# Altium PCB F407.PcbDoc (part 2 of 3)
Units mil, origin at the board's own origin, x right, y up, seen from the top; angles counter-clockwise.
Board outline 3789 x 2423 mil, 2 copper layers (Top Layer, Bottom Layer); 112 components, 163 nets, 540 pads, 276 vias.
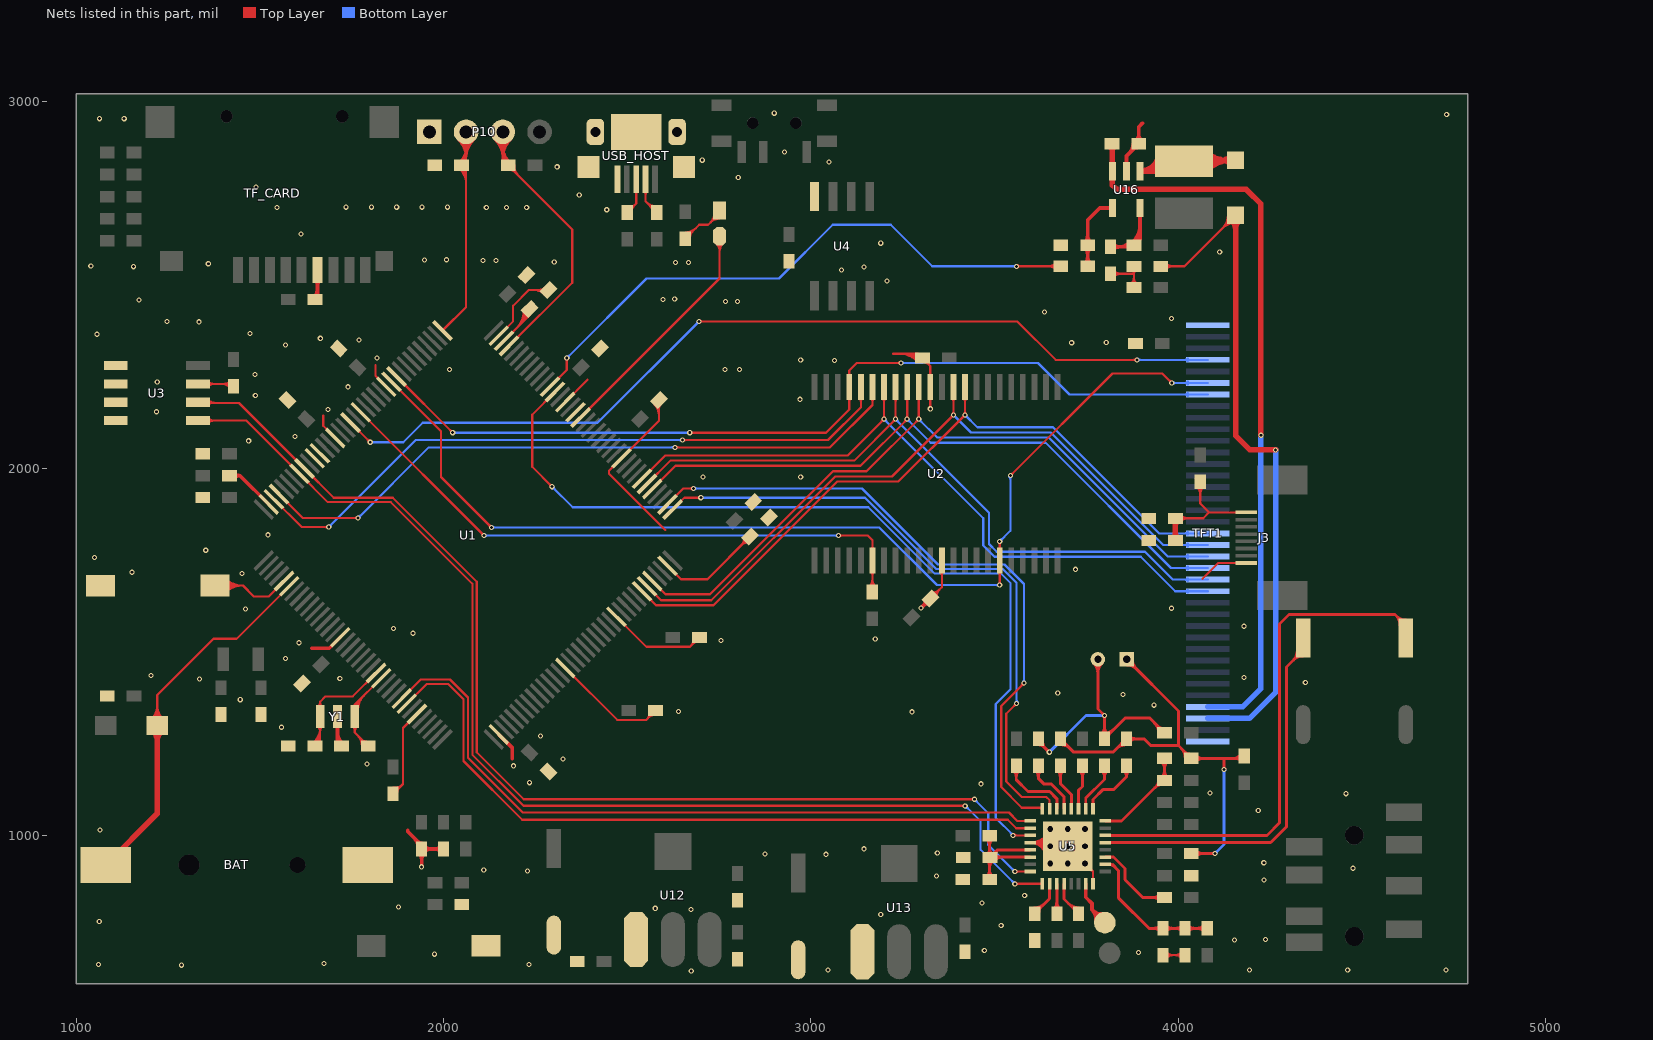
[diagram p2: the nets of this part, all layers, seen from the top]

## Via types
v1: diameter 14, hole 8, Top Layer to Bottom Layer, 267 vias
v2: diameter 27.56, hole 15.75, Top Layer to Bottom Layer, 9 vias

## Nets (pads, with @x,y where several pads share a name; then routed paths per layer and width w, separated by ;. In a path a pad name is that pad's centre, name@x,y a point inside that pad or via, vN(x,y) a via of type N, cw(c..) or ccw(c..) an arc to the next point about the centre after c; other vN are vias at no path point) (continued)
FSMC_D10: TFT1.19 U1.66 U2.31 | length 2063.3
  Top Layer w6: U1.66@2539.77,1665.25 2578.02,1627 2734.6,1627 3071.6,1964 3238.01,1964 v1(3419.43,2145.42) U2.31@3419.43,2221.09 ; v1@3415.43,2145.42 cw(c3405.77,2145.42) 3412.6,2138.59 cw(c3419.43,2131.76) v1@3419.43,2141.42 ; U2.31@3415.98,2190.08 cw(c3407.66,2181.76) 3419.43,2181.76 cw(c3431.19,2181.76) U2.31@3422.87,2190.08 ; v1@3416.6,2148.25 ccw(c3409.77,2155.07) 3419.43,2155.07 ccw(c3429.08,2155.07) v1@3422.25,2148.25
  Bottom Layer w6: v1@3419.43,2141.42 cw(c3419.43,2131.76) 3426.25,2138.59 cw(c3433.08,2145.42) v1@3423.43,2145.42 ; v1(3419.43,2145.42) 3453.06,2111.78 3659.03,2111.78 3947.89,1822.92 TFT1.19@4080.79,1822.92 ; TFT1.19@4026.16,1819.47 ccw(c4017.84,1811.15) 4017.84,1822.92 ccw(c4017.84,1834.69) TFT1.19@4026.16,1826.37
FSMC_D11: TFT1.20 U1.67 U2.32 | length 2057.9
  Top Layer w6: U1.67@2553.69,1679.17 2591.86,1641 2728.8,1641 3065.8,1978 3220.51,1978 v1(3387.93,2145.42) U2.32@3387.93,2221.09 ; v1@3383.93,2145.42 cw(c3374.27,2145.42) 3381.1,2138.59 cw(c3387.93,2131.76) v1@3387.93,2141.42 ; U2.32@3384.48,2190.08 cw(c3376.16,2181.76) 3387.93,2181.76 cw(c3399.7,2181.76) U2.32@3391.38,2190.08 ; v1@3385.1,2148.25 ccw(c3378.27,2155.07) 3387.93,2155.07 ccw(c3397.59,2155.07) v1@3390.76,2148.25
  Bottom Layer w6: v1@3387.93,2142.71 3387.93,2141.42 cw(c3387.93,2131.76) 3394.76,2138.59 cw(c3401.59,2145.42) v1@3391.93,2145.42 ; v1(3387.93,2145.42) 3435.57,2097.78 3653.23,2097.78 3959.59,1791.43 TFT1.20@4080.79,1791.43 ; TFT1.20@4026.16,1787.98 ccw(c4017.84,1779.66) 4017.84,1791.43 ccw(c4017.84,1803.19) TFT1.20@4026.16,1794.87
FSMC_D12: TFT1.21 U1.68 U2.35 | length 2050.2
  Top Layer w6: U1.68@2567.61,1693.09 2603.7,1657 2725,1657 3060,1992 3151.49,1992 v1(3293.44,2133.95) U2.35@3293.44,2221.09 ; v1@3289.44,2133.95 cw(c3279.79,2133.95) 3286.61,2127.12 cw(c3293.44,2120.3) v1@3293.44,2129.95 ; U2.35@3290,2190.08 cw(c3281.68,2181.76) 3293.44,2181.76 cw(c3305.21,2181.76) U2.35@3296.89,2190.08 ; v1@3290.61,2136.78 ccw(c3283.79,2143.61) 3293.44,2143.61 ccw(c3303.1,2143.61) v1@3296.27,2136.78
  Bottom Layer w6: v1@3293.44,2129.95 cw(c3293.44,2120.3) 3300.27,2127.12 cw(c3307.1,2133.95) v1@3297.44,2133.95 ; v1(3293.44,2133.95) 3343.61,2083.78 3647.43,2083.78 3971.28,1759.93 TFT1.21@4080.79,1759.93 ; TFT1.21@4026.16,1756.48 ccw(c4017.84,1748.16) 4017.84,1759.93 ccw(c4017.84,1771.7) TFT1.21@4026.16,1763.38
FSMC_D13: TFT1.22 U1.77 U2.36 | length 1929.6
  Top Layer w6: U1.77@2567.61,1943.64 2630.97,2007 3134.99,2007 v1(3261.95,2133.95) U2.36@3261.95,2221.09 ; v1@3257.95,2133.95 cw(c3248.29,2133.95) 3255.12,2127.12 cw(c3261.95,2120.3) v1@3261.95,2129.95 ; U2.36@3258.5,2190.08 cw(c3250.18,2181.76) 3261.95,2181.76 cw(c3273.71,2181.76) U2.36@3265.39,2190.08 ; v1@3259.12,2136.78 ccw(c3252.29,2143.61) 3261.95,2143.61 ccw(c3271.6,2143.61) v1@3264.77,2136.78
  Bottom Layer w6: v1@3261.95,2129.95 cw(c3261.95,2120.3) 3268.77,2127.12 cw(c3275.6,2133.95) v1@3265.95,2133.95 ; v1(3261.95,2133.95) 3326.12,2069.78 3638.94,2069.78 3980.29,1728.43 TFT1.22@4080.79,1728.43 ; TFT1.22@4026.16,1724.99 ccw(c4017.84,1716.67) 4017.84,1728.43 ccw(c4017.84,1740.2) TFT1.22@4026.16,1731.88
FSMC_D14: TFT1.23 U1.78 U2.37 | length 2000.9
  Top Layer w6: U1.78@2553.69,1957.56 2617.13,2021 3117.5,2021 v1(3230.45,2133.95) U2.37@3230.45,2221.09 ; v1@3226.45,2133.95 cw(c3216.79,2133.95) 3223.62,2127.12 cw(c3230.45,2120.3) v1@3230.45,2129.95 ; U2.37@3227,2190.08 cw(c3218.68,2181.76) 3230.45,2181.76 cw(c3242.22,2181.76) U2.37@3233.9,2190.08 ; v1@3227.62,2136.78 ccw(c3220.79,2143.61) 3230.45,2143.61 ccw(c3240.11,2143.61) v1@3233.28,2136.78
  Bottom Layer w6: v1@3230.45,2129.95 cw(c3230.45,2120.3) 3237.28,2127.12 cw(c3244.11,2133.95) v1@3234.45,2133.95 ; v1(3230.45,2133.95) 3485,1879.4 3485,1793.8 3505.8,1773 3909.46,1773 3985.52,1696.94 TFT1.23@4080.79,1696.94 ; TFT1.23@4026.16,1693.49 ccw(c4017.84,1685.17) 4017.84,1696.94 ccw(c4017.84,1708.7) TFT1.23@4026.16,1700.38
FSMC_D15: TFT1.24 U1.79 U2.38 | length 2015.3
  Top Layer w6: U1.79@2539.77,1971.48 2603.29,2035 3100,2035 v1(3198.95,2133.95) U2.38@3198.95,2221.09 ; v1@3194.95,2133.95 cw(c3185.3,2133.95) 3192.12,2127.12 cw(c3198.95,2120.3) v1@3198.95,2129.95 ; U2.38@3195.51,2190.08 cw(c3187.19,2181.76) 3198.95,2181.76 cw(c3210.72,2181.76) U2.38@3202.4,2190.08 ; v1@3196.12,2136.78 ccw(c3189.3,2143.61) 3198.95,2143.61 ccw(c3208.61,2143.61) v1@3201.78,2136.78
  Bottom Layer w6: v1@3198.95,2129.95 cw(c3198.95,2120.3) 3205.78,2127.12 cw(c3212.61,2133.95) v1@3202.95,2133.95 ; v1(3198.95,2133.95) 3469,1863.9 3469,1790 3500,1759 3898,1759 3991.56,1665.44 TFT1.24@4080.79,1665.44 ; TFT1.24@4026.16,1661.99 ccw(c4017.84,1653.67) 4017.84,1665.44 ccw(c4017.84,1677.21) TFT1.24@4026.16,1668.89
FSMC_NBL0: U1.141 U2.39 | length 1897.9
  Top Layer w6: U1.141@1551.49,1929.72 1616.21,1865 v1(1767,1865) ; v1@1764.17,1862.17 ccw(c1757.34,1855.34) 1757.34,1865 ccw(c1757.34,1874.66) v1@1764.17,1867.83 ; v1(2630,2057) 3052,2057 3167.46,2172.46 U2.39@3167.46,2221.09 ; v1@2632.83,2054.17 cw(c2639.66,2047.34) 2639.66,2057 cw(c2639.66,2066.66) v1@2632.83,2059.83 ; U2.39@3164.01,2190.08 cw(c3155.69,2181.76) 3167.46,2181.76 cw(c3179.22,2181.76) U2.39@3170.9,2190.08
  Bottom Layer w6: v1(1767,1865) 1959,2057 v1(2630,2057) ; v1@1767,1869 ccw(c1767,1878.66) 1773.83,1871.83 ccw(c1780.66,1865) v1@1771,1865 ; v1@2627.17,2054.17 ccw(c2620.34,2047.34) 2620.34,2057 ccw(c2620.34,2066.66) v1@2627.17,2059.83
FSMC_NBL1: U1.142 U2.40 | length 1898.8
  Top Layer w6: U1.142@1537.57,1915.8 1613.37,1840 v1(1687,1840) ; v1@1684.17,1837.17 ccw(c1677.34,1830.34) 1677.34,1840 ccw(c1677.34,1849.66) v1@1684.17,1842.83 ; v1(2650,2077) 3046.54,2077 3135.96,2166.42 U2.40@3135.96,2221.09 ; v1@2652.83,2074.17 cw(c2659.66,2067.34) 2659.66,2077 cw(c2659.66,2086.66) v1@2652.83,2079.83 ; U2.40@3132.51,2190.08 cw(c3124.19,2181.76) 3135.96,2181.76 cw(c3147.73,2181.76) U2.40@3139.41,2190.08
  Bottom Layer w6: v1(1687,1840) 1924,2077 v1(2650,2077) ; v1@1687,1844 ccw(c1687,1853.66) 1693.83,1846.83 ccw(c1700.66,1840) v1@1691,1840 ; v1@2647.17,2074.17 ccw(c2640.34,2067.34) 2640.34,2077 ccw(c2640.34,2086.66) v1@2647.17,2079.83
FSMC_NE3: R1.1 U1.125 U2.6 | length 1850
  Top Layer w6: U1.125@1774.2,2152.43 v1(2109.63,1817) ; v1@2105.63,1817 ccw(c2095.97,1817) 2102.8,1823.83 ccw(c2109.63,1830.66) v1@2109.63,1821 ; v1(3075,1817) 3155,1817 3167.46,1804.54 U2.6@3167.46,1748.65 R1.1@3167.46,1663.5 ; v1@3077.83,1814.17 cw(c3084.66,1807.34) 3084.66,1817 cw(c3084.66,1826.66) v1@3077.83,1819.83 ; R1.1@3158.44,1676.77 ccw(c3136.68,1698.53) 3167.46,1698.53 ccw(c3198.23,1698.53) R1.1@3176.47,1676.77 ; R1.1@3162.69,1672.52 ccw(c3151.17,1684.04) 3167.46,1684.04 ccw(c3183.75,1684.05) R1.1@3172.23,1672.52 ; U2.6@3164.01,1717.64 cw(c3155.69,1709.32) 3167.46,1709.32 cw(c3179.22,1709.32) U2.6@3170.9,1717.64 ; U2.6@3164.01,1779.65 ccw(c3155.69,1787.97) 3167.46,1787.97 ccw(c3179.22,1787.97) U2.6@3170.9,1779.65
  Bottom Layer w6: v1(2109.63,1817) v1(3075,1817) ; v1@2112.46,1814.17 cw(c2119.29,1807.34) 2119.29,1817 cw(c2119.29,1826.66) v1@2112.46,1819.83 ; v1@3072.17,1814.17 ccw(c3065.34,1807.34) 3065.34,1817 ccw(c3065.34,1826.66) v1@3072.17,1819.83
FSMC_NE4: TFT1.4 U1.127 | length 2645.7
  Top Layer w6: U1.127@1746.36,2124.59 v1(1799.95,2071) ; v1@1795.95,2071 ccw(c1786.3,2071) 1793.13,2077.83 ccw(c1799.95,2084.66) v1@1799.95,2075 ; v1(2695,2400) 3562,2400 3666.64,2295.36 v1(3887.64,2295.36) ; v1@2697.83,2397.17 cw(c2704.66,2390.34) 2704.66,2400 cw(c2704.66,2409.66) v1@2697.83,2402.83 ; v1@3884.81,2292.53 ccw(c3877.98,2285.71) 3877.98,2295.36 ccw(c3877.98,2305.02) v1@3884.81,2298.19
  Bottom Layer w6: v1(1799.95,2071) 1890,2071 1943,2124 2419,2124 v1(2695,2400) ; v1@1802.78,2068.17 cw(c1809.61,2061.34) 1809.61,2071 cw(c1809.61,2080.66) v1@1802.78,2073.83 ; v1@2691,2400 cw(c2681.34,2400) 2688.17,2393.17 cw(c2695,2386.34) v1@2695,2396 ; v1(3887.64,2295.36) TFT1.4@4080.79,2295.36 ; v1@3890.47,2292.53 cw(c3897.29,2285.71) 3897.29,2295.36 cw(c3897.29,2305.02) v1@3890.47,2298.19 ; TFT1.4@4026.16,2291.92 ccw(c4017.84,2283.6) 4017.84,2295.36 ccw(c4017.84,2307.13) TFT1.4@4026.16,2298.81
FSMC_NOE: TFT1.7 U1.118 U2.41 | length 2595.5
  Top Layer w6: U1.118@1871.64,2249.86 v1(2024.5,2097) ; v1@2020.5,2097 ccw(c2010.85,2097) 2017.67,2103.83 ccw(c2024.5,2110.66) v1@2024.5,2101 ; v1(2670,2097) 3041.09,2097 3104.46,2160.38 U2.41@3104.46,2221.09 3104.46,2266.46 3125,2287 v1(3245,2287) ; v1@2672.83,2094.17 cw(c2679.66,2087.34) 2679.66,2097 cw(c2679.66,2106.66) v1@2672.83,2099.83 ; U2.41@3101.02,2190.08 cw(c3092.7,2181.76) 3104.46,2181.76 cw(c3116.23,2181.76) U2.41@3107.91,2190.08 ; U2.41@3101.02,2252.09 ccw(c3092.7,2260.41) 3104.46,2260.41 ccw(c3116.23,2260.41) U2.41@3107.91,2252.09 ; v1@3242.17,2284.17 ccw(c3235.34,2277.34) 3235.34,2287 ccw(c3235.34,2296.66) v1@3242.17,2289.83
  Bottom Layer w6: v1(2024.5,2097) v1(2670,2097) ; v1@2027.33,2094.17 cw(c2034.16,2087.34) 2034.16,2097 cw(c2034.16,2106.66) v1@2027.33,2099.83 ; v1@2667.17,2094.17 ccw(c2660.34,2087.34) 2660.34,2097 ccw(c2660.34,2106.66) v1@2667.17,2099.83 ; v1(3245,2287) 3618,2287 3704.13,2200.87 TFT1.7@4080.79,2200.87 ; v1@3247.83,2284.17 cw(c3254.66,2277.34) 3254.66,2287 cw(c3254.66,2296.66) v1@3247.83,2289.83 ; TFT1.7@4026.16,2197.43 ccw(c4017.84,2189.11) 4017.84,2200.87 ccw(c4017.84,2212.64) TFT1.7@4026.16,2204.32
FSMC_NWE: TFT1.6 U1.119 U2.17 | length 3139.3
  Top Layer w6: U1.119@1857.72,2235.94 1992.66,2101 1992.66,1976.34 v1(2130,1839) ; v1@2126,1839 ccw(c2116.34,1839) 2123.17,1845.83 ccw(c2130,1852.66) v1@2130,1843 ; U2.17@3510.47,1717.64 cw(c3502.15,1709.32) 3513.91,1709.32 cw(c3525.68,1709.32) U2.17@3517.36,1717.64 ; U2.17@3510.47,1779.65 ccw(c3502.15,1787.97) 3513.91,1787.97 ccw(c3525.68,1787.97) U2.17@3517.36,1779.65 ; v1@3511.09,1684.91 ccw(c3504.26,1691.74) 3513.91,1691.74 ccw(c3523.57,1691.74) v1@3516.74,1684.91 ; v1@3511.09,1798.09 cw(c3504.26,1791.26) 3513.91,1791.26 cw(c3523.57,1791.26) v1@3516.74,1798.09 ; v1(3513.91,1682.09) U2.17@3513.91,1748.65 v1(3513.91,1800.91) ; v1(3543,1980) 3821,2258 3956.74,2258 v1(3982.37,2232.37) ; v1@3543,1984 ccw(c3543,1993.66) 3549.83,1986.83 ccw(c3556.66,1980) v1@3547,1980 ; v1@3978.37,2232.37 ccw(c3968.71,2232.37) 3975.54,2239.2 ccw(c3982.37,2246.03) v1@3982.37,2236.37
  Bottom Layer w6: v1(2130,1839) 3186.09,1839 3343,1682.09 v1(3513.91,1682.09) ; v1@2132.83,1836.17 cw(c2139.66,1829.34) 2139.66,1839 cw(c2139.66,1848.66) v1@2132.83,1841.83 ; v1@3511.09,1679.26 ccw(c3504.26,1672.43) 3504.26,1682.09 ccw(c3504.26,1691.74) v1@3511.09,1684.91 ; v1(3513.91,1800.91) 3543,1830 v1(3543,1980) ; v1@3513.91,1804.91 ccw(c3513.91,1814.57) 3520.74,1807.74 ccw(c3527.57,1800.91) v1@3517.91,1800.91 ; v1@3540.17,1977.17 cw(c3533.34,1970.34) 3543,1970.34 cw(c3552.66,1970.34) v1@3545.83,1977.17 ; v1(3982.37,2232.37) TFT1.6@4080.79,2232.37 ; v1@3985.2,2229.54 cw(c3992.03,2222.71) 3992.03,2232.37 cw(c3992.03,2242.03) v1@3985.2,2235.2 ; TFT1.6@4026.16,2228.92 ccw(c4017.84,2220.6) 4017.84,2232.37 ccw(c4017.84,2244.14) TFT1.6@4026.16,2235.82
GND: BAT.2 C1.1 C2.1 C3.1 C4.2 C5.1 C6.1 C7.1 C8.2 C9.2 C10.1 C11.1 C12.1 C13.1 C14.1 C15.1 C16.1 C17.1 C18.1 C19.1 C20.1 C21.1 C22.1 C23.1 C24.1 C29.2 C31.2 C36.2 C43.1 C44.2 C45.1 C50.1 C51.1 C54.1 C55.1 C68.1 C69.1 C70.2 C97.1 C98.1 C100.1 C101.1 C102.1 C105.2 J3.8 KEY0.2 P10.1 R6.2 R11.2 R44.1 R46.2 R52.1 R53.1 RESET.2 TF_CARD.6 TFT1.1 TFT1.37 U1.16 U1.31 U1.38 U1.51 U1.61 U1.83 U1.94 U1.107 U1.120 U1.130 U2.12 U2.34 U3.1 U3.2 U3.3 U3.4 U3.7 U4.4 U5.12 U5.24 U5.33 U12.1 U13.1 U16.2 USB_HOST.5 USB_HOST.6 USB_HOST.7 USB_HOST.8 USB_HOST.9 Y1.2 | length 5937.6
  Top Layer w6: U3.7@1331.41,2230 C31.2@1420.5,2230 ; U3.7@1358.13,2223.28 cw(c1374.35,2207.07) 1374.35,2230 cw(c1374.35,2252.93) U3.7@1358.13,2236.72 ; 1394.41,2230 cw(c1394.41,2195.91) C31.2@1418.51,2220.01 ; 1401.65,2230 ccw(c1401.65,2253.85) C31.2@1418.51,2236.99 ; 1408.89,2230 cw(c1408.89,2210.39) C31.2@1422.76,2224.26 ; 1672,2143 1672,2116 1704.6,2083.4 U1.130@1704.6,2082.83 ; 1679.27,2108.73 cw(c1674.89,2104.35) U1.130@1681.08,2104.35 ; 1814,2281 1814,2251.82 U1.120@1843.8,2222.02 ; C22.1@1862,1113.5 1889,1140.5 ; C22.1@1862.35,1124.49 ccw(c1863.64,1146.93) 1879.54,1131.04 ; C22.1@1862.69,1130.48 ccw(c1864.67,1164.82) 1889,1140.5 ; C22.1@1874,1118.5 cw(c1890.9,1118.5) 1878.95,1130.45 ; U1.31@1927.31,1331.18 1889,1292.87 1889,1140.5 ; U1.107@2150.03,2361.22 2189,2400.19 2189,2443 2231.81,2485.81 C9.2@2285.81,2485.81 ; 2244.77,2485.81 cw(c2244.77,2444.77) C9.2@2273.79,2473.79 ; 2259.25,2485.81 cw(c2259.25,2459.25) C9.2@2278.03,2478.03 ; 2261.84,2485.81 ccw(c2261.84,2502.71) C9.2@2273.79,2490.76 ; U1.51@2330.98,1456.46 2472.43,1315 2551.5,1315 C20.1@2576.5,1340 ; U1.94@2330.98,2180.27 2391.71,2241 ; U1.61@2470.17,1595.65 2551.82,1514 2670.5,1514 C21.1@2696.5,1540 ; 2554,1317.5 ccw(c2538.79,1332.71) C20.1@2559.79,1337.39 ; 2559.55,1323.05 cw(c2571.5,1311.1) C20.1@2571.5,1328 ; C20.1@2561.72,1325.22 ccw(c2551.42,1335.53) C20.1@2565.64,1338.7 ; C12.1@2573.79,2173.79 cw(c2544.77,2144.77) 2585.81,2144.77 ; C12.1@2578.03,2178.03 cw(c2559.25,2159.25) 2585.81,2159.25 ; 2585.81,2161.84 cw(c2602.71,2161.84) C12.1@2590.76,2173.79 ; C12.1@2585.81,2185.81 2585.81,2128.87 U1.83@2484.09,2027.15 2450,1993.06 2450,1985 2603,1832 2604,1832 ; 2673,1516.5 ccw(c2655.92,1533.58) C21.1@2679.69,1537.87 ; 2679.55,1523.05 cw(c2691.5,1511.1) C21.1@2691.5,1528 ; 2681.11,1524.61 ccw(c2669.66,1536.06) C21.1@2685.6,1538.93 ; 3224,2312 3291.5,2312 C1.1@3303.5,2300 3324.94,2278.56 U2.34@3324.94,2221.09 v1(3324.94,2162.06) ; 3240.56,2312 cw(c3240.56,2242.06) C1.1@3290.02,2291.51 ; 3255.05,2312 cw(c3255.05,2256.54) C1.1@3294.26,2295.76 ; 3269.53,2312 cw(c3269.53,2271.03) C1.1@3298.5,2300 ; C1.1@3284.02,2312 cw(c3284.02,2285.51) C1.1@3302.74,2304.24 ; C1.1@3308.5,2288 cw(c3308.5,2271.1) 3320.45,2283.05 ; C1.1@3319.59,2295.41 ccw(c3331.74,2290.37) 3322.44,2281.06 ; U2.34@3321.49,2190.08 cw(c3313.17,2181.76) 3324.94,2181.76 cw(c3336.7,2181.76) U2.34@3328.38,2190.08 ; U2.34@3321.49,2252.09 ccw(c3313.17,2260.41) 3324.94,2260.41 ccw(c3336.7,2260.41) U2.34@3328.38,2252.09 ; v1@3322.11,2164.89 ccw(c3315.28,2171.72) 3324.94,2171.72 ccw(c3334.59,2171.72) v1@3327.77,2164.89 ; C2.1@3325.81,1645.81 3356.43,1676.43 U2.12@3356.43,1748.65 ; C2.1@3329.34,1661.34 ccw(c3329.34,1690.31) 3349.83,1669.83 ccw(c3370.31,1649.34) C2.1@3341.34,1649.34 ; U2.12@3352.99,1717.64 cw(c3344.67,1709.32) 3356.43,1709.32 cw(c3368.2,1709.32) U2.12@3359.88,1717.64 ; U5.12@3601.97,980.84 cw(c3601.97,921.21) U5.33@3644.13,963.38 ; U5.12@3604.92,980.84 cw(c3604.92,939.59) U5.33@3644.05,952.65 ; U5.12@3607.96,980.84 ccw(c3607.96,1033.15) U5.33@3651.15,1003.66 ; 3613.25,980.84 cw(c3613.25,942.37) U5.33@3649.74,954.55 ; 3616.46,980.84 cw(c3616.46,935.7) U5.33@3648.38,967.62 ; 3619.32,980.84 ccw(c3619.32,1025.39) U5.33@3656.11,1000.28 ; 3621.58,980.84 cw(c3621.58,945.15) U5.33@3655.43,956.45 ; 3629.91,980.84 cw(c3629.91,947.93) U5.33@3661.13,958.35 ; 3630.68,980.84 ccw(c3630.68,1017.64) U5.33@3661.07,996.89 ; 3630.94,980.84 cw(c3630.94,950.18) U5.33@3652.62,971.86 ; U5.33@3638.36,950.75 ccw(c3596.59,936.81) U5.12@3596.59,980.84 ; U5.33@3646.2,1007.04 cw(c3596.6,1040.9) U5.12@3596.59,980.84 ; U5.33@3649.21,980.84 cw(c3649.21,921.21) U5.33@3691.38,963.38 ; U5.33@3650.72,971.65 cw(c3667.39,961.13) U5.33@3667.39,980.84 ; U5.33@3655.8,968.45 cw(c3678.27,954.26) U5.33@3678.27,980.84 ; U5.33@3660.87,965.25 cw(c3689.16,947.4) U5.33@3689.16,980.84 ; U5.33@3663.7,980.84 cw(c3663.7,935.7) U5.33@3695.62,967.62 ; U5.33@3678.18,980.84 cw(c3678.18,950.18) U5.33@3699.86,971.86 ; U5.33@3699,960.22 cw(c3699,934.2) 3717.4,952.6 cw(c3735.8,971) U5.33@3709.78,971 ; U5.33@3715.86,928.28 cw(c3727.02,900.02) 3748.5,921.5 cw(c3769.98,942.98) U5.33@3741.72,954.14 ; U5.33@3718.07,922.7 cw(c3730.68,890.75) 3754.96,915.04 cw(c3779.25,939.32) U5.33@3747.3,951.93 ; U5.33@3720.27,917.12 cw(c3734.34,881.48) 3761.43,908.57 cw(c3788.52,935.66) U5.33@3752.88,949.73 ; U5.33@3722.47,911.54 cw(c3738,872.21) 3767.89,902.11 ; U5.33@3735.46,923.76 ccw(c3709.44,923.76) 3727.84,942.16 ccw(c3746.24,960.56) U5.33@3746.24,934.54 ; U5.33@3746.24,912.98 cw(c3746.24,886.95) 3764.65,905.35 cw(c3783.05,923.76) U5.33@3757.02,923.76 ; U5.33@3758.46,947.53 ccw(c3797.79,932) 3767.89,902.11 ; U5.24@3767.9,868.59 3767.9,902.1 ; C98.1@3816,2530 3879.5,2530 ; C98.1@3824.49,2521.51 cw(c3844.97,2501.03) 3844.97,2530 cw(c3844.97,2558.97) C98.1@3824.49,2538.49 ; C97.1@3871.01,2500.49 ccw(c3850.53,2520.97) 3879.5,2520.97 ccw(c3908.47,2520.97) C97.1@3887.99,2500.49 ; C105.2@3873.85,2539.41 cw(c3868.83,2530) 3879.5,2530 ; C97.1@3879.5,2492 3879.5,2530 ; C105.2@3879.5,2550 3879.5,2530 ; C105.2@3885.15,2539.41 ccw(c3890.17,2530) 3879.5,2530 ; C50.1@3959,674.5 C51.1@4019,674.5 ; C50.1@3967.49,666.01 cw(c3987.97,645.53) 3987.97,674.5 cw(c3987.97,703.47) C50.1@3967.49,682.99 ; C51.1@4010.51,666.01 ccw(c3990.03,645.53) 3990.03,674.5 ccw(c3990.03,703.47) C51.1@4010.51,682.99 ; 4066,1699 4109.2,1742.2 J3.8@4185,1742.2 ; U5.12@3596.59,980.84 U5.33@3689.16,980.84 ; U5.33@3689.16,980.84 v2(3699,971) 3767.9,902.1
  Top Layer w10: 1641,1510 1688.55,1510 U1.16@1718.52,1539.98 ; C36.2@1647.66,2467.07 ccw(c1626.22,2488.5) 1656.54,2488.5 ; TF_CARD.6@1650.33,2512.14 cw(c1635.34,2497.15) 1656.54,2497.15 cw(c1677.73,2497.15) TF_CARD.6@1662.74,2512.14 ; C36.2@1656.54,2460 TF_CARD.6@1656.54,2540 ; 1656.54,2479.78 ccw(c1674.51,2479.78) C36.2@1661.8,2467.07 ; Y1.2@1705.94,1299.5 cw(c1694.31,1287.87) 1710.76,1287.87 cw(c1727.2,1287.87) Y1.2@1715.57,1299.5 ; C6.1@1710.76,1254.74 Y1.2@1710.76,1324 ; C6.1@1710.76,1257.87 ccw(c1730.37,1257.87) C6.1@1716.5,1244 ; 1710.76,1282.01 ccw(c1754.51,1282.01) C6.1@1723.57,1251.07 ; 1902,1014 1902,1011.22 1940,973.22 C23.1@1940,963.5 ; 1919.59,993.62 cw(c1894.47,968.5) C23.1@1930,968.5 ; C23.1@1930.98,982.24 ccw(c1940,991.26) C23.1@1940,978.5 ; C23.1@1932.93,951.43 cw(c1915.86,934.36) 1940,934.36 cw(c1964.14,934.36) C23.1@1947.07,951.43 ; v1(1940,915) C23.1@1940,963.5 ; C23.1@1947.07,956.43 cw(c1964.14,939.36) 1964.14,963.5 cw(c1964.14,987.64) C23.1@1947.07,970.57 ; C24.1@1992.93,956.43 ccw(c1975.86,939.36) 1975.86,963.5 ccw(c1975.86,987.64) C24.1@1992.93,970.57 ; C24.1@2000,963.5 C23.1@1940,963.5 ; U1.38@2150.03,1275.51 2187,1238.53 2187,1210 ; v1(3300,1620) C2.1@3325.81,1645.81 ; C2.1@3312.27,1642.27 cw(c3288.13,1642.27) 3305.2,1625.2 cw(c3322.27,1608.13) C2.1@3322.27,1632.27 ; U16.2@3855.46,2827.54 ccw(c3846.93,2836.07) 3859,2836.07 ccw(c3871.07,2836.07) U16.2@3862.54,2827.54 ; U16.2@3859,2809 3859,2850.5 R44.1@3892.5,2884 3892.5,2929.5 3903,2940 ; 3866.89,2858.39 ccw(c3841.29,2884) R44.1@3877.5,2884 ; R44.1@3877.16,2868.66 cw(c3888.25,2857.57) R44.1@3888.25,2873.25 ; R44.1@3884.9,2891.6 ccw(c3866.55,2909.95) 3892.5,2909.95 ccw(c3918.45,2909.95) R44.1@3900.1,2891.6
  other v1: 2674,631 3046,634 4194,634 4461.5,634 4729,634 1286,647 1060,649 2232,649 1674,652 1975,677 3892,682 3472,687 4153,716 4238,717 3518,755 1062,766 3190,785 2673,799 2576,802 1877,806 3466,816 3582,837 4234,879 3342,890 2228,904 2109,906 4476,911 4233,926 3041,949 2875,950 3344,953 3144,964 1064,1015 4218,1068 4457,1114 4087,1116 3463,1141 2234,1144 2190,1190 1791,1195 2325,1209 2264,1271 1558,1295 3275,1337 2639,1338 3934,1355 1446,1370 3850,1384 3672,1388 4346,1417 1335,1426 1717,1428 4179,1430 1203,1436 1569,1482 1606,1525 2755,1531 3175,1535 1916,1551 1863,1564 4179,1570 1460,1617 3982,1619 1451,1714 1151,1717 3720,1725 1049,1757 1352,1777 1522,1819 2706,1976 2972,1976 1469,2075 1595,2087 1218,2154 1685,2160 2970,2188 1487,2198 1739,2222 1220,2235 1486,2255 2016,2269 2766,2269 2805,2269 3064,2294 2972,2295 1818,2300 1569,2336 3710,2342 3804,2343 1769,2349 1664,2354 1056,2365 1473,2367 1334,2399 1247,2400 3982,2408 3636,2426 2767,2454 2800,2454 1170,2458 2597,2460 2629,2461 3207,2510 3083,2540 3144,2548 1155,2549 1039,2551 1359,2557 2631,2560 2667,2560 2301,2562 2107,2566 2142,2566 1948,2567 2008,2568 4113,2589 3190,2613 1611,2638 2444,2704 1546,2710 2116,2710 2171,2710 2226,2710 1734,2711 1803,2711 1872,2711 1941,2711 2010,2711 2369,2744 1489,2766 2802,2792 2309,2821 3049,2834 2704,2839 2928,2861 1063,2952 1130,2952 4731,2963 2900,2967